# Altium PCB oxy_pcb.PcbDoc
Units mm, origin at the board's own origin, x right, y up, seen from the top; angles counter-clockwise.
Board outline 37 x 48.1 mm, 2 copper layers (Top Layer, Bottom Layer), stack 1.571 mm thick; 62 components, 46 nets, 272 pads, 112 vias.
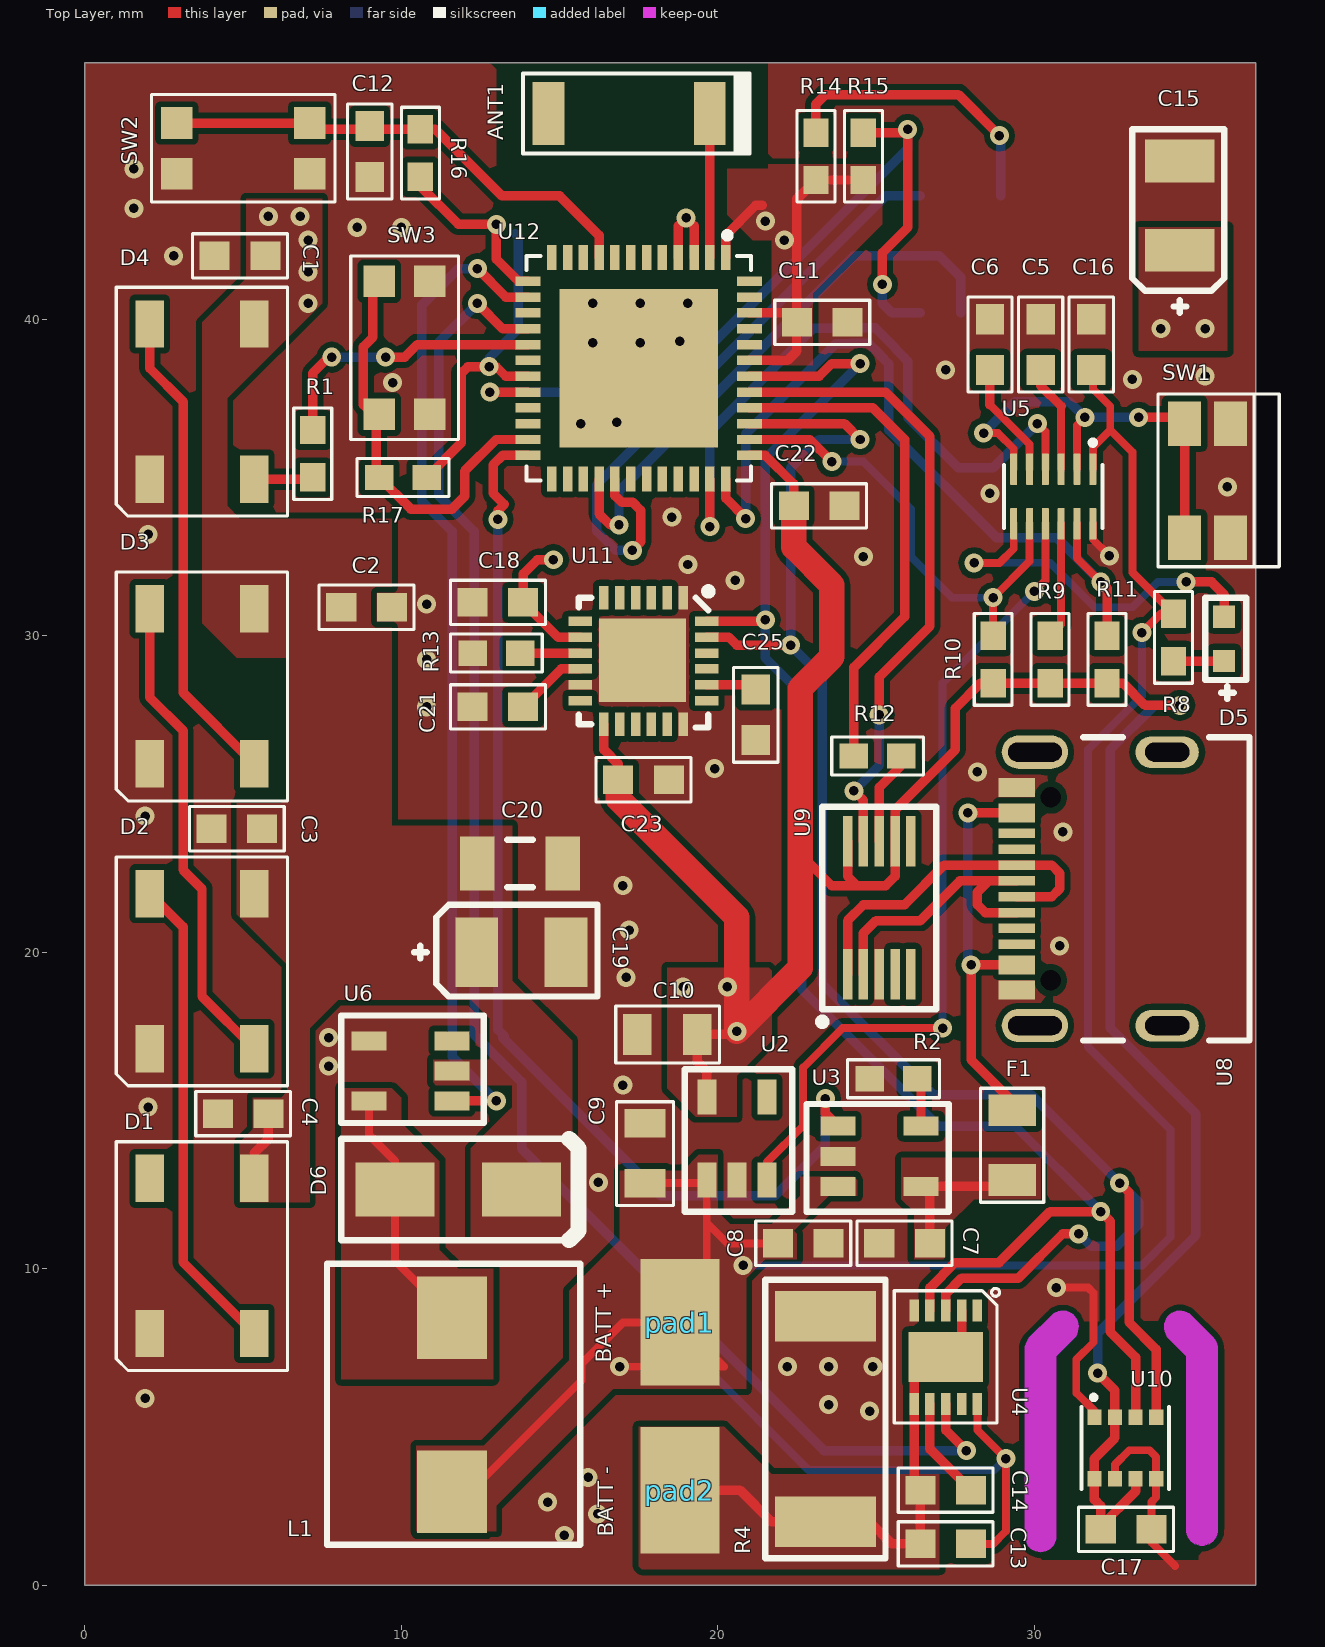
[diagram p0: Top Layer view]
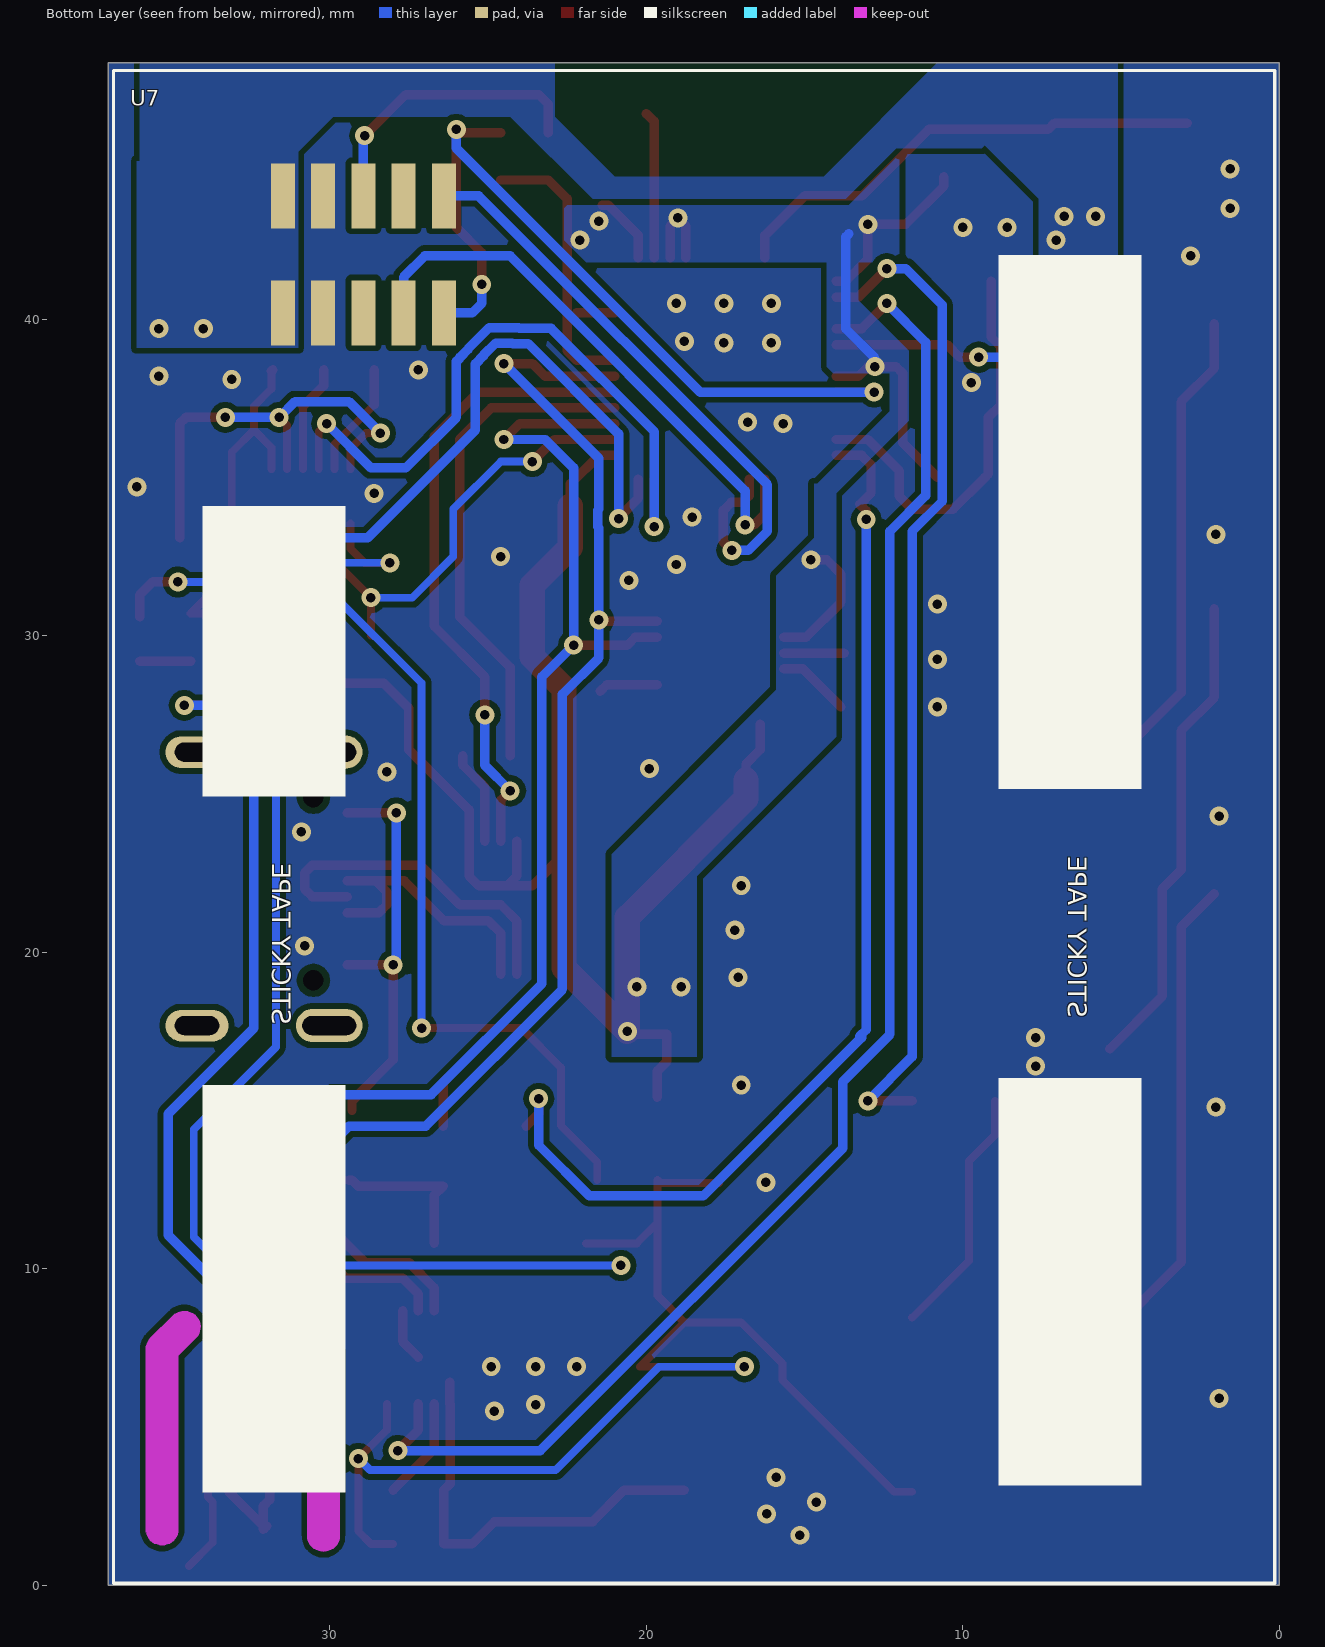
[diagram p1: Bottom Layer view, seen from below]
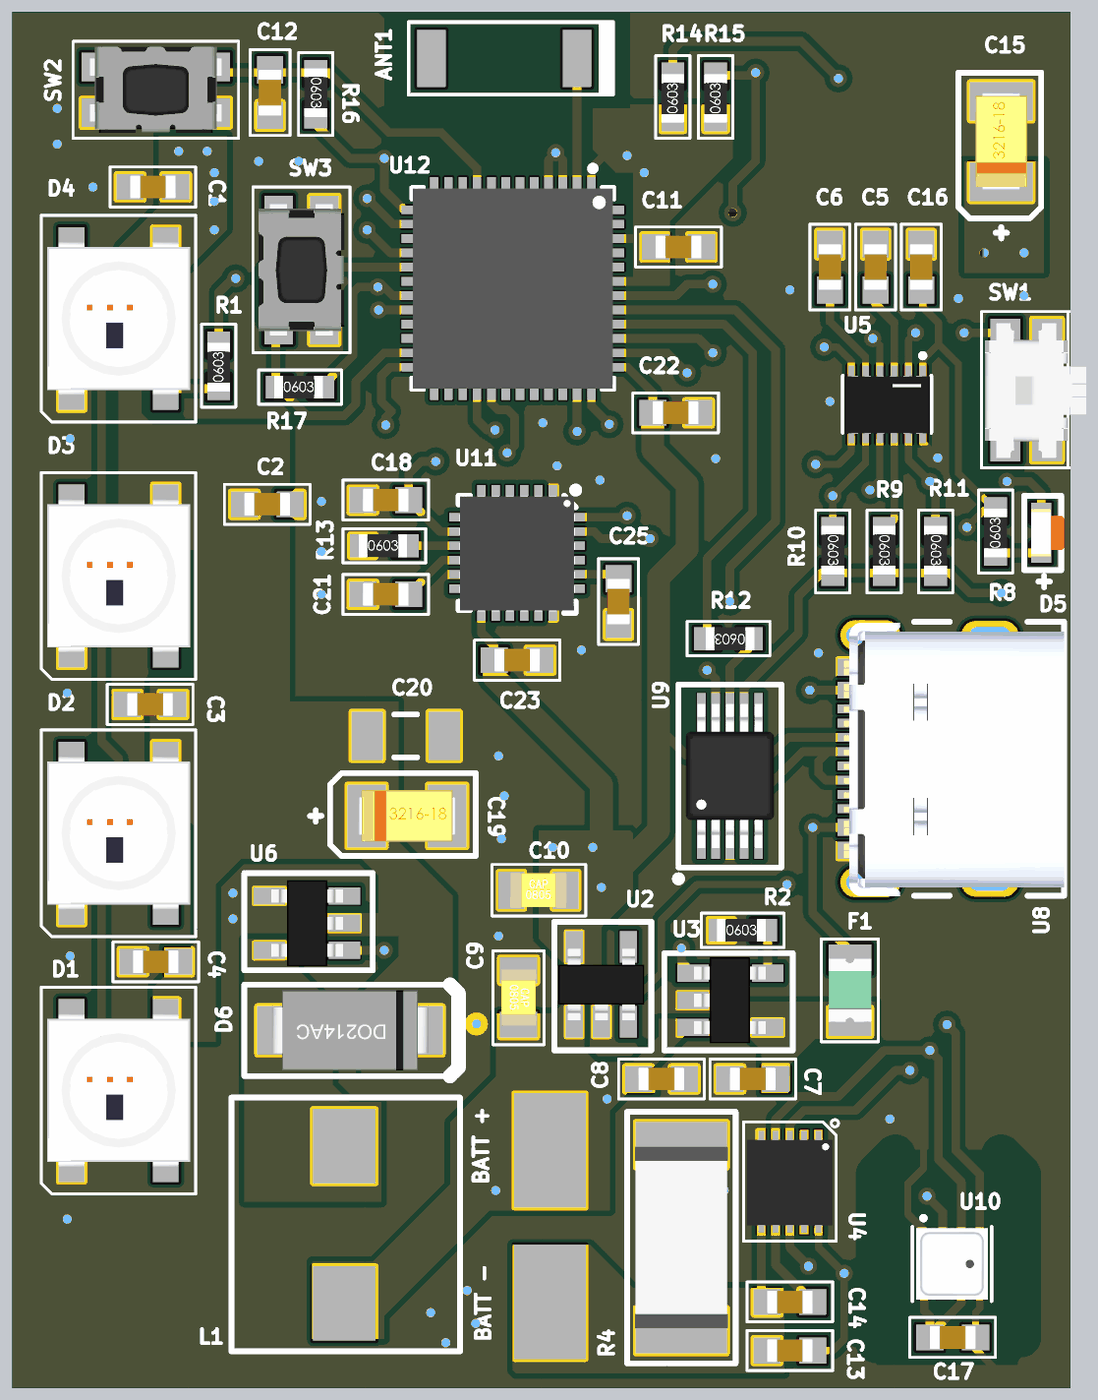
[diagram p2: 3D render of the assembled board from above, using the file's embedded part models]

## Layer stack, top to bottom
Top Solder: solder mask 0.0102, Solder Resist, Dk 3.5
Top Layer: signal copper 0.0356
Dielectric 1: dielectric 1.5, FR-4, Dk 4.8
Bottom Layer: signal copper 0.0356
Bottom Solder: solder mask 0.0102, Solder Resist, Dk 3.5

## Board outline
37,0 37,48.1 0,48.1 0,0
cut-out: 30.546,8.514 29.846,7.814 ccw(c30.2,7.46) 29.7,7.46 29.7,1.56 ccw(c30.2,1.56) 30.2,1.06 ccw(c30.2,1.56) 30.7,1.56 30.7,7.253 31.254,7.806 ccw(c30.9,8.16)
cut-out: 34.954,8.514 ccw(c34.6,8.16) 34.246,7.806 34.8,7.253 34.8,1.76 ccw(c35.3,1.76) 35.3,1.26 ccw(c35.3,1.76) 35.8,1.76 35.8,7.46 ccw(c35.3,7.46) 35.654,7.814

## Design rules (kind name [scope] priority, off if disabled: settings)
Clearance [All] p1: gap=0.19 ignorepadtopadclearanceinfootprint=FALSE except(0: Arc-Hole Track-Hole SMDPad-Hole THPad-Hole Via-Hole Fill-Hole Poly-Hole Region-Hole Text-Hole)
DiffPairsRouting [All] p1: maxlimit=0.254 minlimit=0.2 mostfreqgap=0.2 toplayer_minwidth=0.3 toplayer_maxwidth=0.3 toplayer_prefwidth=0.3 bottomlayer_minwidth=0.3 bottomlayer_maxwidth=0.3 bottomlayer_prefwidth=0.3 maxuncoupledlength=12.7
HoleSize [All] p1: absolutevalues=TRUE maxlimit=10 minlimit=0.2 maxpercent=80.000 minpercent=20.000
HoleToHoleClearance [All] p1: gap=0.3 allowstackedmicrovias=TRUE
Length [InNetClass('DIFFUSB')] p1: maxlimit=14.7 minlimit=14
MinimumSolderMaskSliver [All] p1: minsoldermaskwidth=0.06
PolygonConnect pads [All] p1: thpad.connectstyle=Relief thpad.reliefconductorwidth=0.254 thpad.reliefentries=4 thpad.polygonreliefangle="90 Angle" thpad.airgapwidth=0.254 smdpad.connectstyle=Direct smdpad.reliefconductorwidth=0.254 smdpad.reliefentries=4 smdpad.polygonreliefangle="90 Angle" smdpad.airgapwidth=0.254 via.connectstyle=Direct via.reliefconductorwidth=0.254 via.reliefentries=4 via.polygonreliefangle="90 Angle" via.airgapwidth=0.254
RoutingVias [All] p1: holewidth=0.3 width=0.6 viastyle="Through Hole" minholewidth=0.3 minwidth=0.6 maxholewidth=4 maxwidth=4
SilkToSilkClearance [All] p1: silktosilkclearance=0.1
SilkToSolderMaskClearance [IsPad] p1: minsilkscreentomaskgap=0.1 clearancetoexposedcopper=TRUE
SolderMaskExpansion [All] p1: expansion=0.1
Width [All] p1: maxlimit=4 minlimit=0.2 preferedwidth=0.3
24 further rules are at their usual default settings.

## Classes and differential pairs
differential pair class DIFFUSB: USB

## Components (designator, comment, footprint, x,y, rotation, side; value= is the part's Value field where it differs from the comment)
ANT1 "2.4GHZ" AN2051 17.2,46.5 r180 top
C1 "0.1UF 25V" C0603 4.9,42 r0 top
C2 "0.1UF 25V" C0603 8.9,30.9 r180 top
C3 "0.1UF 25V" C0603 4.8,23.9 r0 top
C4 "0.1UF 25V" C0603 5,14.9 r0 top
C5 "1uF" C0603 30.2,39.2 r270 top
C6 "4.7uF 6.3v" C0603 28.6,39.2 r270 top
C7 "4.7uF 6.3v" C0603 25.9,10.8 r0 top
C8 "4.7uF 6.3v" C0603 22.7,10.8 r180 top
C9 "1uF 16V" C0805 17.7,13.65 r270 top
C10 "1uF 16V" C0805 18.4,17.4 r0 top
C11 "0.1UF 25V" C0603 23.3,39.9 r180 top
C12 "0.1UF 25V" C0603 9,45.3 r90 top
C13 "0.1UF 25V" C0603 27.2,1.3 r180 top
C14 "0.47uF" C0603 27.2,3 r0 top
C15 "10uF 10V" C3216 34.6,45 r270 top
C16 "0.1UF 25V" C0603 31.8,39.2 r270 top
C17 "0.1UF 25V" C0603 32.9,1.76 r180 top
C18 "0.1UF 25V" C0603 13.05,31.05 r0 top
C19 "10uF 10V" C3216 15.2,20 r180 top
C20 "10UF 10V LOW ESR" C1206 13.75,22.8 r180 top
C21 "0.1UF 25V" C0603 13.05,27.75 r0 top
C22 "0.1UF 25V" C0603 23.2,34.1 r180 top
C23 "10nF 50v" C0603 17.65,25.45 r180 top
C25 "2.2nF 200V" C0603 21.2,27.5 r90 top
D1 "WS2812B" ws2812b 3.7,10.4 r270 top
D2 "WS2812B" ws2812b 3.7,19.4 r270 top
D3 "WS2812B" ws2812b 3.7,28.4 r270 top
D4 "WS2812B" ws2812b 3.7,37.4 r270 top
D5 "RED-LED-RIGHT" LED0805RIGHT 36,29.9 r90 top
D6 "SS14 40V 1A" SMA 9.8,12.5 r0 top
F1 "PTC RESET FUSE 6V 750MA 0805" F0805L075SL 29.3,13.9 r270 top
L1 "CDRH70D45B" CDRH70D45B 11.6,5.7 r90 top
pad1 "pad" "Pad 5x4mm" 18.8,8.3 r270 top
pad2 "pad" "Pad 5x4mm" 18.8,3 r270 top
R1 "470 Ohm" R0603 7.2,35 r90 top
R2 "2K" R0603 24.8,16 r0 top
R4 "10mOHM" R2512 23.4,5.25 r90 top
R8 "100ohm" R0603 34.4,29.2 r90 top
R9 "10K" R0603 30.5,30 r270 top
R10 "10K" R0603 28.7,30 r270 top
R11 "10K" R0603 32.3,30 r270 top
R12 "120R" R0603 25.8,26.2 r180 top
R13 "4K7" R0603 12.25,29.45 r0 top
R14 "10K" R0603 23.1,44.4 r90 top
R15 "10K" R0603 24.6,44.4 r90 top
R16 "10K" R0603 10.6,46 r270 top
R17 "10K" R0603 9.3,35 r0 top
SW1 "tact switch" "Tacticle smd" 34.75,33.1 r90 top
SW2 "TACT-SW" kmr7-switch 7.1,44.6 r180 top
SW3 "TACT-SW" kmr7-switch 10.9,41.2 r270 top
U2 "AP2112K-3.3TRG1" SOT-23-5 20.55,14.2 r90 top
U3 "MCP73831" SOT-23-5 25.2,13.6 r0 top
U4 "MAX17055" TDFN-EP 27.2,7.2 r270 top
U5 "STM6601CQ" SON50P300X200X80-12N 30.6,34.4 r270 top
U6 "ME2108C50M5G" SOT-23-5 10.2,16.2 r180 top
U7 "PMS7003" PMS7003 36.84,47.86 r90 bottom locked
U8 "USB-TYPEC" USB-TYPEC 34.2,22 r90 top
U9 "CH340E" MSOP-10 25.1,21.4 r90 top
U10 "BME280" BME280 32.875,4.33 r90 top
U11 "MPU-6050" MPU6050 18.9,31.2 r270 top
U12 "ESP32-PICO-D4" PQFN50P700X700X104-49N 17.5,38.45 r270 top

## Footprints (in the part's own frame and the unit in brackets; to place one, negate y for a bottom-side part, rotate by r counter-clockwise, add the part's x,y. Pads: shape width x height; smd on the part's side, far side on the other; paste and mask are expansions set on the pad)
AN2051 [mm]
  rect 1x2 smd: P$1(-2.55,0) P$2(2.55,0)
  silkscreen extent -3.81,-1.27 3.35,1.27
BME280 [mm]
  rect 0.49x0.45 smd mask+0.06: 1(0.97,0.975) 2(0.97,0.325) 3(0.97,-0.325) 4(0.97,-0.975) 5(-0.97,-0.975) 6(-0.97,-0.325) 7(-0.97,0.325) 8(-0.97,0.975)
  silkscreen extent -1.3,-1.39 1.65,1.39, body extent -1.25,-1.25 1.25,1.25, height 0.93
C0603 [mm]
  rect 0.95x0.9 smd: 1(-0.8,0) 2(0.8,0)
  silkscreen extent -1.5,-0.7 1.5,0.7, body extent -0.8,-0.4 0.8,0.4, height 0.9
C0805 [mm]
  rect 0.9x1.3 smd: 1(-0.95,0) 2(0.95,0)
  silkscreen extent -1.63,-0.9 1.65,0.9, body extent -1,-0.62 1,0.63, height 1.25
C1206 [mm] "Chip Capacitor, Body 3.2x1.6mm, IPC High Density"
  rect 1.1x1.7 smd: 1(-1.35,0) 2(1.35,0)
  silkscreen extent -0.4,-0.75 0.4,0.75, body extent -1.7,-0.9 1.7,0.9, height 1.3
C3216 [mm]
  rect 1.35x2.2 smd: 1(0,0) 2(2.82,0)
  silkscreen extent -1,-1.5 4.8,1.4, body extent -0.3,-0.9 3.1,0.9, height 1.7
CDRH70D45B [mm]
  rect 2.6x2.2 smd: 1(-2.75,0) 2(2.75,0)
  silkscreen extent -4.43,-4.05 4.45,3.95
F0805L075SL [mm]
  rect 1x1.5 smd: 1(-1.1,0) 2(1.1,0)
  silkscreen extent -1.8,-1 1.8,1, body extent -1.1,-0.75 1.11,0.75, height 1.24
kmr7-switch [mm]
  rect 1x1 smd: 1(0,0) 1(4.2,0) 2(0,-1.6) 2(4.2,-1.6)
  silkscreen extent -0.8,-2.5 5,0.9, body extent -0.2,-2.3 4.4,0.7, height 2.1
LED0805RIGHT [mm]
  rect 0.7x0.7 smd: 1(-0.7,0) 2(0.7,0)
  silkscreen extent -1.9,-0.7 1.3,0.6, body extent -0.82,-0.8 0.82,0.35, height 0.6
MPU6050 [mm]
  rect 0.75x0.3 smd mask+0.06: 1(0,0) 2(0,-0.5) 3(0,-1) 4(0,-1.5) 5(0,-2) 6(0,-2.5) 13(4,-2.5) 14(4,-2) 15(4,-1.5) 16(4,-1) 17(4,-0.5) 18(4,0)
  rect 0.3x0.75 smd mask+0.06: 7(0.75,-3.25) 8(1.25,-3.25) 9(1.75,-3.25) 10(2.25,-3.25) 11(2.75,-3.25) 12(3.25,-3.25) 19(3.25,0.75) 20(2.75,0.75) 21(2.25,0.75) 22(1.75,0.75) 23(1.25,0.75) 24(0.75,0.75)
  rect 2.65x2.75 smd paste-2 mask+0.06: 25(1.975,-1.275)
  silkscreen extent -0.3,-3.3 4.1,0.9, body extent 0,-3.27 4.04,0.77, height 0.91
MSOP-10 [mm]
  rect 1.6x0.3 smd mask+0.04: 1(-2.1,1) 2(-2.1,0.5) 3(-2.1,0) 4(-2.1,-0.5) 5(-2.1,-1) 6(2.1,-1) 7(2.1,-0.5) 8(2.1,0) 9(2.1,0.5) 10(2.1,1)
  silkscreen extent -3.7,-1.8 3.2,1.9, body extent -2.52,-1.55 2.52,1.55, height 1.1
"Pad 5x4mm" [mm]
  rect 4x2.5 smd: 1(0,0)
PMS7003 [mm]
  rect 2.05x0.76 smd: 1(-3.96,-5.36) 2(-7.66,-5.36) 3(-7.66,-6.63) 4(-3.96,-6.63) 5(-3.96,-7.9) 6(-7.66,-7.9) 7(-7.66,-9.17) 8(-3.96,-9.17) 9(-3.96,-10.44) 10(-7.66,-10.44)
  silkscreen extent -47.8,-36.7 0,0, body extent -47.73,-36.75 -0.03,-0.05, height 11.71
PQFN50P700X700X104-49N [mm]
  rrect9% 0.8x0.3 smd mask+0.06: 1(-3.5,2.75) 2(-3.5,2.25) 3(-3.5,1.75) 4(-3.5,1.25) 5(-3.5,0.75) 6(-3.5,0.25) 7(-3.5,-0.25) 8(-3.5,-0.75) 9(-3.5,-1.25) 10(-3.5,-1.75) 11(-3.5,-2.25) 12(-3.5,-2.75) 25(3.5,-2.75) 26(3.5,-2.25) 27(3.5,-1.75) 28(3.5,-1.25) 29(3.5,-0.75) 30(3.5,-0.25) 31(3.5,0.25) 32(3.5,0.75) 33(3.5,1.25) 34(3.5,1.75) 35(3.5,2.25) 36(3.5,2.75)
  rrect9% 0.3x0.8 smd mask+0.06: 13(-2.75,-3.5) 14(-2.25,-3.5) 15(-1.75,-3.5) 16(-1.25,-3.5) 17(-0.75,-3.5) 18(-0.25,-3.5) 19(0.25,-3.5) 20(0.75,-3.5) 21(1.25,-3.5) 22(1.75,-3.5) 23(2.25,-3.5) 24(2.75,-3.5) 37(2.75,3.5) 38(2.25,3.5) 39(1.75,3.5) 40(1.25,3.5) 41(0.75,3.5) 42(0.25,3.5) 43(-0.25,3.5) 44(-0.75,3.5) 45(-1.25,3.5) 46(-1.75,3.5) 47(-2.25,3.5) 48(-2.75,3.5)
  rect 5x5 smd paste-4: 49(0,0)
  silkscreen extent -4.3,-3.55 3.55,3.55, body extent -3.5,-3.5 3.5,3.5, height 1.04
R0603 [mm]
  rect 0.9x0.8 smd mask+0.1: 1(0,0)
  rect 0.9x0.8 smd: 2(1.5,0)
  silkscreen extent -0.7,-0.6 2.2,0.6, body extent -0.15,-0.4 1.55,0.4, height 0.56
R2512 [mm]
  rect 1.6x3.2 smd: 1(-3.25,0) 2(3.25,0)
  silkscreen extent -4.4,-1.9 4.4,1.9, body extent -3.18,-1.63 3.17,1.63, height 0.58
SMA [mm]
  rect 2.5x1.7 smd: 1(0,0) 2(4,0)
  silkscreen extent -1.7,-1.6 5.8,1.6, body extent -0.74,-1.4 4.74,1.4, height 2.3
SON50P300X200X80-12N [mm]
  rrect20% 0.99x0.22 smd: 1(-0.86,1.25) 2(-0.86,0.75) 3(-0.86,0.25) 4(-0.86,-0.25) 5(-0.86,-0.75) 6(-0.86,-1.25) 7(0.86,-1.25) 8(0.86,-0.75) 9(0.86,-0.25) 10(0.86,0.25) 11(0.86,0.75) 12(0.86,1.25)
  silkscreen extent -1.77,-1.55 1,1.55, body extent -1,-1.5 1.04,1.5, height 0.82
SOT-23-5 [mm]
  rect 1.1x0.6 smd mask+0.06: 1(-1.4,0.9) 2(-1.4,-0.05) 3(-1.4,-1) 4(1.22,-1) 5(1.22,0.9)
  silkscreen extent -2.4,-1.8 2.1,1.6, body extent -1.35,-1.55 1.15,1.45, height 1.11
"Tacticle smd" [mm]
  rect 1.4x1.05 smd: 1(0,-1.45) 1(3.6,-1.45) 2(0,0) 2(3.6,0)
  silkscreen extent -0.93,-2.99 4.54,0.84, body extent -0.57,-2.83 4.13,0.72, height 1.35
TDFN-EP [mm]
  rect 0.7x0.3 smd paste-0.05 mask+0.06: 1(-1.475,1) 2(-1.475,0.5) 3(-1.475,0) 4(-1.475,-0.5) 5(-1.475,-1) 6(1.475,-1) 7(1.475,-0.5) 8(1.475,0) 9(1.475,0.5) 10(1.475,1)
  rect 1.58x2.35 smd paste-1 mask+0.06: 6(0,0)
  silkscreen extent -2.17,-1.63 2.07,1.7, body extent -1.48,-1.5 1.54,1.5, height 0.76
USB-TYPEC [mm]
  rect 0.6x1.15 smd mask+0.08: 1(-3.2,4.755) 1(3.2,4.755) 2(-2.4,4.755) 2(2.4,4.755)
  rect 0.3x1.15 smd mask+0.08: 3(-0.75,4.755) 3(0.25,4.755) 4(-0.25,4.755) 4(0.75,4.755) A5(-1.25,4.755) A8(1.25,4.755) B5(1.75,4.755) B8(-1.75,4.755)
  oval 1x2 hole 0.6 slot 1.4 at 90 deg: G1(-4.32,0) G2(4.32,0)
  oval 1.05x2.1 hole 0.6 slot 1.7 at 90 deg: G3(-4.32,4.18) G4(4.32,4.18)
  round 0 hole 0.65 unplated mask+0: ""(-2.89,3.68) ""(2.89,3.68)
  silkscreen extent -4.79,-2.6 4.79,2.65, body extent -4.81,-2.6 4.77,5.11, height 3.31
ws2812b [mm]
  rect 1.5x0.9 smd: 1(-2.45,1.65) 2(-2.45,-1.65) 3(2.45,-1.65) 4(2.45,1.65)
  silkscreen extent -3.61,-2.71 3.62,2.7, body extent -2.7,-2.5 2.7,2.5, height 1.58
